# KiCad board Backplane_v2.kicad_pcb (continued)
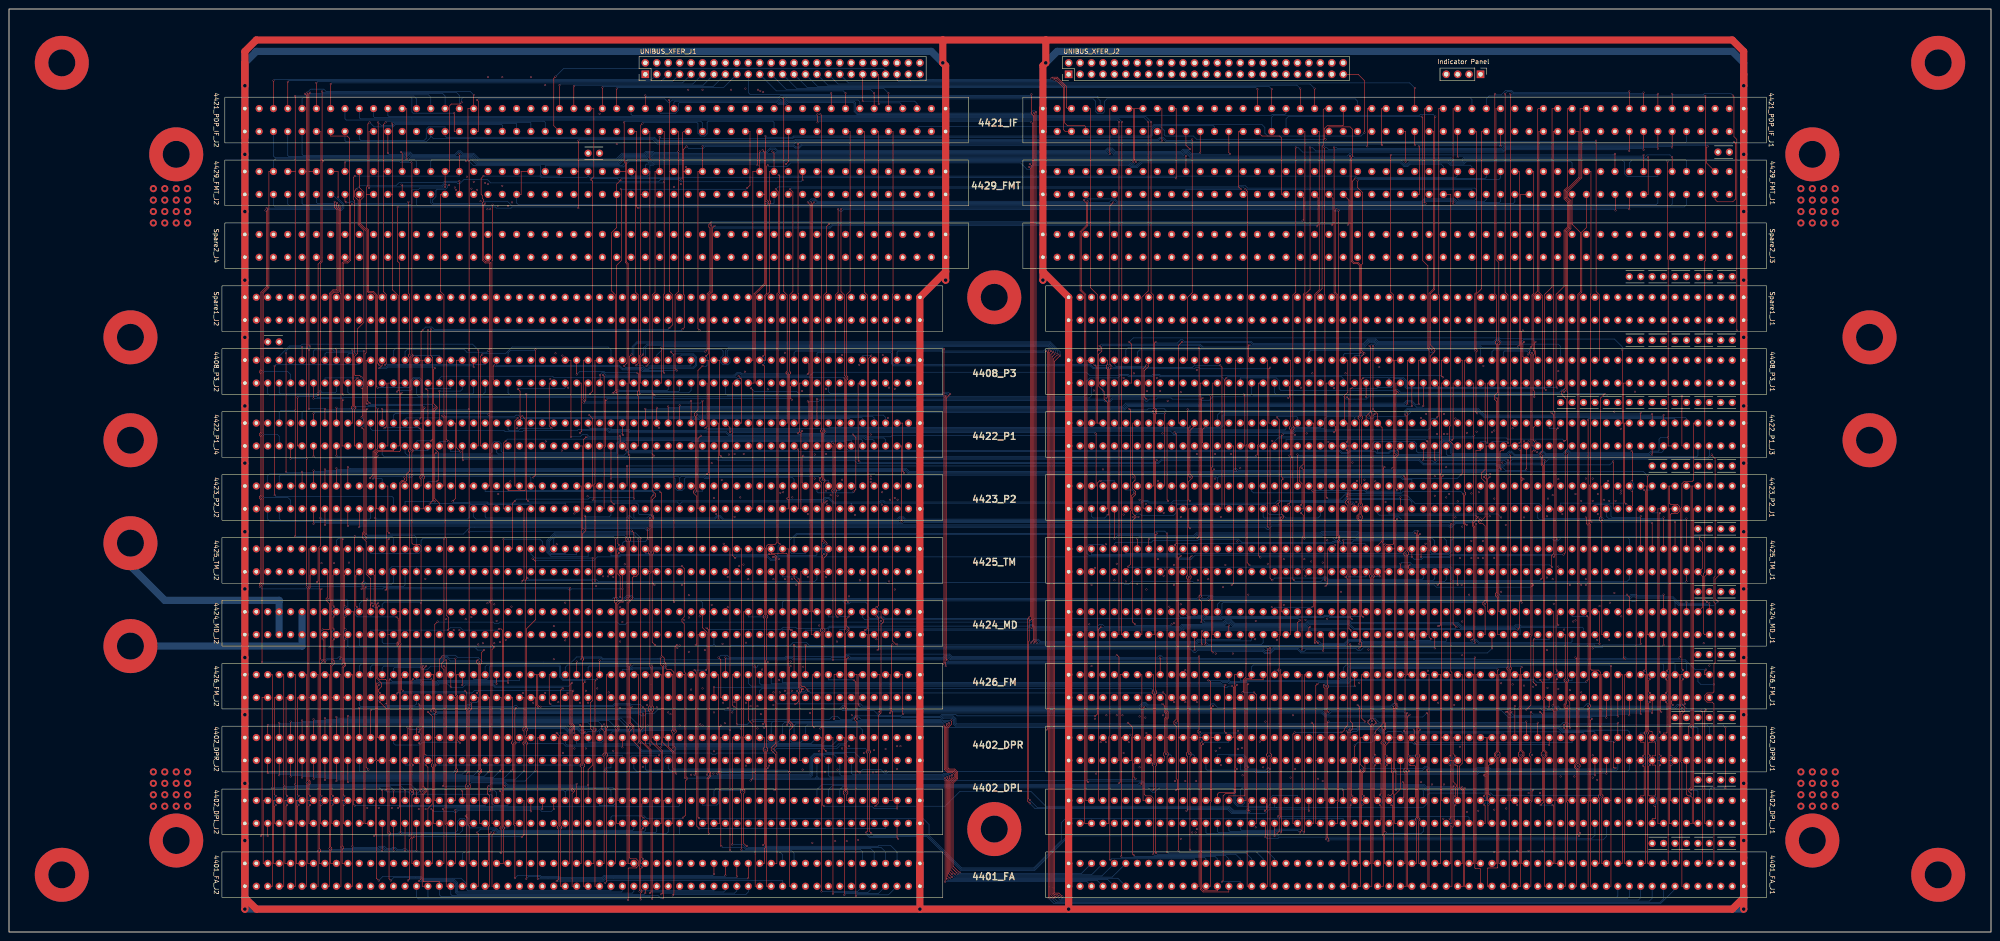
[diagram p0: board, top side]
## Nets (continued)
BUSINIT*: 4421_PDP_IF_J2.54 UNIBUS_XFER_J2.43
BUSINTR*: 4421_PDP_IF_J2.5 UNIBUS_XFER_J1.39
BUSMSYN*: 4421_PDP_IF_J2.56 UNIBUS_XFER_J1.43
BUSNPGIN: 4421_PDP_IF_J1.94 UNIBUS_XFER_J1.47
BUSNPGOUT: 4421_PDP_IF_J2.22 UNIBUS_XFER_J2.47
BUSNPR*: 4421_PDP_IF_J2.34 UNIBUS_XFER_J2.41
BUSSACK*: 4421_PDP_IF_J2.32 UNIBUS_XFER_J2.39
BUSSSYN*: 4421_PDP_IF_J2.48 UNIBUS_XFER_J2.45
CA3WRT: 4402_DPL_J1.69 4402_DPR_J1.69 4424_MD_J1.16
CB2A1E*: 4408_P3_J2.56 4422_P1_J3.33
CB2A2E*: 4408_P3_J2.20 4422_P1_J3.52
CB2A2M*: 4408_P3_J2.19 4422_P1_J3.83
CB14*: 4401_FA_J1.14 4408_P3_J2.47
CB15*: 4401_FA_J1.16 4408_P3_J2.48
CB16*: 4401_FA_J1.18 4408_P3_J2.49
CB17*: 4401_FA_J1.20 4408_P3_J2.50
CB18*: 4401_FA_J1.22 4408_P3_J2.51
CB19*: 4401_FA_J1.24 4408_P3_J2.52
CBCLKE*: 4408_P3_J1.97 4422_P1_J3.115 4423_P2_J1.94
CPUIN*: 4422_P1_J3.94
CTLCLK: 4421_PDP_IF_J1.50 4429_FMT_J1.13
DA2PNL: 4408_P3_J1.83 4422_P1_J4.20
DA08*: 4421_PDP_IF_J1.12 4422_P1_J3.74 4425_TM_J1.53
DA09*: 4421_PDP_IF_J1.14 4422_P1_J3.76 4425_TM_J1.54
DA10*: 4421_PDP_IF_J1.16 4422_P1_J3.78 4425_TM_J1.55
DA11*: 4421_PDP_IF_J1.18 4422_P1_J3.80 4425_TM_J1.56
DA12*: 4421_PDP_IF_J1.24 4422_P1_J3.82 4425_TM_J1.57
DA13*: 4421_PDP_IF_J1.26 4422_P1_J3.84 4425_TM_J1.58
DA14*: 4421_PDP_IF_J1.28 4422_P1_J3.86 4425_TM_J1.59
DA15*: 4421_PDP_IF_J1.30 4422_P1_J3.88 4425_TM_J1.60
DALD*: 4408_P3_J1.105 4422_P1_J4.19
DBLSW*: 4408_P3_J1.23 4422_P1_J4.57
DCHO01*: 4421_PDP_IF_J1.59 4424_MD_J1.27
DCHO02*: 4424_MD_J1.28
DE07*: 4401_FA_J1.35 4426_FM_J1.35
DE08*: 4401_FA_J1.51 4426_FM_J1.51
DE09*: 4401_FA_J1.53 4426_FM_J1.53
DE10*: 4401_FA_J1.55 4426_FM_J1.55
DE11*: 4401_FA_J1.56 4426_FM_J1.57
DMA00*: 4421_PDP_IF_J1.62 4424_MD_J1.54
DMA01*: 4421_PDP_IF_J1.64 4424_MD_J1.56
DMA02*: 4421_PDP_IF_J1.66 4424_MD_J1.58
DMA03*: 4421_PDP_IF_J1.68 4424_MD_J1.60
DMA04*: 4421_PDP_IF_J2.10 4424_MD_J1.74
DMA05*: 4421_PDP_IF_J2.12 4424_MD_J1.76
DMA06*: 4421_PDP_IF_J2.14 4424_MD_J1.78
DMA07*: 4421_PDP_IF_J2.16 4424_MD_J1.80
DMA08*: 4421_PDP_IF_J2.39 4424_MD_J1.86
DMA09*: 4421_PDP_IF_J2.41 4424_MD_J1.88
DMA10*: 4421_PDP_IF_J2.43 4424_MD_J1.90
DMA11*: 4421_PDP_IF_J2.45 4424_MD_J1.92
DMA12*: 4421_PDP_IF_J2.79 4424_MD_J1.106
DMA13*: 4421_PDP_IF_J2.81 4424_MD_J1.108
DMA14*: 4421_PDP_IF_J2.83 4424_MD_J1.110
DMA15*: 4421_PDP_IF_J2.85 4424_MD_J1.112
DMAESA: 4424_MD_J1.22
DMAIND: 4421_PDP_IF_J2.18 J39.3
DP2A1: 4402_DPL_J1.59 4402_DPR_J1.59 4408_P3_J2.5
DP2A2E: 4402_DPL_J1.61 4408_P3_J1.115
DP2A2M: 4402_DPL_J1.63 4402_DPR_J1.61 4402_DPR_J1.63 4408_P3_J2.6
DP2DP: 4402_DPL_J1.60 4402_DPR_J1.60 4423_P2_J1.112
DP2IO*: 4408_P3_J1.79
DP2M1: 4402_DPL_J1.64 4402_DPR_J1.64 4423_P2_J2.50
DP2M2: 4402_DPL_J1.62 4402_DPR_J1.62 4423_P2_J2.52
DPA2PNL*: 4408_P3_J2.54 4423_P2_J1.22
DPALD*: 4422_P1_J4.38 4423_P2_J1.21
DPEBS00*: 4402_DPL_J1.55
DPEBS01*: 4402_DPL_J1.56
DPEBS02*: 4402_DPL_J1.57 4408_P3_J1.61 4422_P1_J3.14 4423_P2_J1.79 4425_TM_J1.63 4429_FMT_J1.17
DPEBS03*: 4402_DPL_J1.58 4408_P3_J1.63 4422_P1_J3.40 4423_P2_J1.80 4425_TM_J1.64 4429_FMT_J1.19
DPEBS04*: 4402_DPL_J1.77 4408_P3_J1.65 4422_P1_J3.65 4423_P2_J1.99 4425_TM_J1.65 4429_FMT_J1.31
DPEBS05*: 4402_DPL_J1.78 4408_P3_J1.67 4422_P1_J3.67 4423_P2_J1.100 4425_TM_J1.66 4429_FMT_J1.33
DPEBS06*: 4402_DPL_J1.79 4408_P3_J1.69 4422_P1_J3.69 4423_P2_J1.101 4425_TM_J1.67 4429_FMT_J1.35
DPEBS07*: 4402_DPL_J1.80 4408_P3_J1.71 4422_P1_J3.71 4423_P2_J1.102 4425_TM_J1.68 4429_FMT_J1.37
DPEBS08*: 4402_DPL_J2.9 4408_P3_J1.102 4422_P1_J3.104 4423_P2_J2.5 4425_TM_J1.69 4429_FMT_J1.57
DPEBS09*: 4402_DPL_J2.10 4408_P3_J1.104 4422_P1_J3.106 4423_P2_J2.6 4425_TM_J1.70 4429_FMT_J1.59
DPEBS10*: 4402_DPL_J2.11 4408_P3_J1.106 4422_P1_J3.108 4423_P2_J2.7 4425_TM_J1.93 4429_FMT_J1.61
DPEBS11*: 4402_DPL_J2.12 4408_P3_J1.108 4422_P1_J3.110 4423_P2_J2.8 4425_TM_J1.94 4429_FMT_J1.63
DPMBS00*: 4402_DPR_J1.55 4408_P3_J2.25 4422_P1_J4.27 4423_P2_J2.27 4425_TM_J1.95 4429_FMT_J1.71
DPMBS01*: 4402_DPR_J1.56 4408_P3_J2.26 4422_P1_J4.28 4423_P2_J2.28 4425_TM_J1.96 4429_FMT_J1.73
DPMBS02*: 4402_DPR_J1.57 4408_P3_J2.27 4422_P1_J4.29 4423_P2_J2.29 4425_TM_J1.97 4429_FMT_J1.75
DPMBS03*: 4402_DPR_J1.58 4408_P3_J2.28 4422_P1_J4.30 4423_P2_J2.30 4425_TM_J1.98 4429_FMT_J1.77
DPMBS04*: 4402_DPR_J1.77 4408_P3_J2.67 4422_P1_J4.63 4423_P2_J2.33 4425_TM_J1.99 4429_FMT_J1.87
DPMBS05*: 4402_DPR_J1.78 4408_P3_J2.68 4422_P1_J4.64 4423_P2_J2.34 4425_TM_J1.100 4429_FMT_J1.89
DPMBS06*: 4402_DPR_J1.79 4408_P3_J2.69 4422_P1_J4.65 4423_P2_J2.35 4425_TM_J2.13 4429_FMT_J1.91
DPMBS07*: 4402_DPR_J1.80 4408_P3_J2.70 4422_P1_J4.66 4423_P2_J2.36 4425_TM_J2.14 4429_FMT_J1.93
DPMBS08*: 4402_DPR_J2.9 4408_P3_J2.71 4422_P1_J4.67 4423_P2_J2.41 4425_TM_J2.15 4429_FMT_J2.15
DPMBS09*: 4402_DPR_J2.10 4408_P3_J2.72 4422_P1_J4.68 4423_P2_J2.42 4425_TM_J2.16 4429_FMT_J2.17
DPMBS10*: 4402_DPR_J2.11 4408_P3_J2.73 4421_PDP_IF_J1.65 4422_P1_J4.69 4423_P2_J2.43 4425_TM_J2.17 4429_FMT_J2.19
DPMBS11*: 4402_DPR_J2.12 4408_P3_J2.74 4421_PDP_IF_J2.51 4422_P1_J4.70 4423_P2_J2.44 4425_TM_J2.18 4429_FMT_J2.21
DPMBS12*: 4402_DPR_J2.53 4408_P3_J2.87 4421_PDP_IF_J1.51 4422_P1_J4.89 4423_P2_J2.69 4425_TM_J2.19 4429_FMT_J2.35
DPMBS13*: 4402_DPR_J2.54 4408_P3_J2.88 4421_PDP_IF_J1.53 4422_P1_J4.90 4423_P2_J2.70 4425_TM_J2.20 4429_FMT_J2.37
DPMBS14*: 4402_DPR_J2.55 4408_P3_J2.89 4421_PDP_IF_J1.55 4422_P1_J4.91 4423_P2_J2.71 4425_TM_J2.47 4429_FMT_J2.39
DPMBS15*: 4402_DPR_J2.56 4408_P3_J2.90 4421_PDP_IF_J1.57 4422_P1_J4.92 4423_P2_J2.72 4425_TM_J2.48 4429_FMT_J2.41
DPMBS16*: 4402_DPR_J2.97 4408_P3_J2.91 4421_PDP_IF_J1.81 4422_P1_J4.93 4423_P2_J2.77 4425_TM_J2.49 4429_FMT_J2.51
DPMBS17*: 4402_DPR_J2.98 4408_P3_J2.92 4421_PDP_IF_J1.83 4422_P1_J4.94 4423_P2_J2.78 4425_TM_J2.50 4429_FMT_J2.53
DPMBS18*: 4402_DPR_J2.99 4408_P3_J2.93 4421_PDP_IF_J1.85 4422_P1_J4.95 4423_P2_J2.79 4425_TM_J2.51 4429_FMT_J2.55
DPMBS19*: 4402_DPR_J2.100 4408_P3_J2.94 4421_PDP_IF_J1.87 4422_P1_J4.96 4423_P2_J2.80 4425_TM_J2.52 4429_FMT_J2.57
DPMBS20*: 4402_DPL_J2.53 4408_P3_J2.101 4421_PDP_IF_J1.89 4422_P1_J4.103 4423_P2_J2.95 4425_TM_J2.53 4429_FMT_J2.69
DPMBS21*: 4402_DPL_J2.54 4408_P3_J2.102 4421_PDP_IF_J1.91 4422_P1_J4.104 4423_P2_J2.96 4425_TM_J2.54 4429_FMT_J2.71
DPMBS22*: 4402_DPL_J2.55 4408_P3_J2.103 4421_PDP_IF_J2.67 4422_P1_J4.105 4423_P2_J2.97 4425_TM_J2.89 4429_FMT_J2.73
DPMBS23*: 4402_DPL_J2.56 4408_P3_J2.104 4421_PDP_IF_J2.69 4422_P1_J4.106 4423_P2_J2.98 4425_TM_J2.90 4429_FMT_J2.75
DPMBS24*: 4402_DPL_J2.97 4408_P3_J2.109 4421_PDP_IF_J2.71 4422_P1_J4.111 4423_P2_J2.109 4425_TM_J2.91 4429_FMT_J2.89
DPMBS25*: 4402_DPL_J2.98 4408_P3_J2.110 4421_PDP_IF_J2.73 4422_P1_J4.112 4423_P2_J2.110 4425_TM_J2.92 4429_FMT_J2.91
DPMBS26*: 4402_DPL_J2.99 4408_P3_J2.111 4421_PDP_IF_J2.75 4422_P1_J4.113 4423_P2_J2.111 4425_TM_J2.93 4429_FMT_J2.93
DPMBS27*: 4402_DPL_J2.100 4408_P3_J2.112 4421_PDP_IF_J2.77 4422_P1_J4.114 4423_P2_J2.112 4425_TM_J2.94 4429_FMT_J2.95
EX2PNL*: 4408_P3_J1.86 4423_P2_J2.21
EXIA: 4422_P1_J4.75 4423_P2_J2.25
EXIB: 4422_P1_J4.76 4423_P2_J2.24
EXINT: 4408_P3_J2.100 4422_P1_J4.79
FADD*: 4401_FA_J1.12 4408_P3_J2.86 4422_P1_J4.16
FAE00*: 4402_DPL_J1.21
FAE01*: 4402_DPL_J1.23
FAE02*: 4401_FA_J1.26 4402_DPL_J1.25 4426_FM_J1.71
FAE03*: 4401_FA_J1.28 4402_DPL_J1.27 4426_FM_J1.73
FAE04*: 4401_FA_J1.40 4402_DPL_J1.89 4426_FM_J1.85
FAE05*: 4401_FA_J1.42 4402_DPL_J1.91 4426_FM_J1.87
FAE06*: 4401_FA_J1.44 4402_DPL_J1.93 4426_FM_J1.89
FAE07*: 4401_FA_J1.46 4402_DPL_J1.95 4426_FM_J1.91
FAE08*: 4401_FA_J1.48 4402_DPL_J2.13 4426_FM_J1.103
FAE09*: 4401_FA_J1.50 4402_DPL_J2.15 4426_FM_J1.105
FAE10*: 4401_FA_J1.52 4402_DPL_J2.17 4426_FM_J1.107
FAE11*: 4401_FA_J1.54 4402_DPL_J2.19 4426_FM_J1.109
FAM00*: 4401_FA_J1.66 4402_DPR_J1.21 4426_FM_J2.13
FAM01*: 4401_FA_J1.68 4402_DPR_J1.23 4426_FM_J2.15
FAM02*: 4401_FA_J1.70 4402_DPR_J1.25 4426_FM_J2.17
FAM03*: 4401_FA_J1.72 4402_DPR_J1.27 4426_FM_J2.19
FAM04*: 4401_FA_J1.92 4402_DPR_J1.89 4426_FM_J2.29
FAM05*: 4401_FA_J1.94 4402_DPR_J1.91 4426_FM_J2.31
FAM06*: 4401_FA_J1.96 4402_DPR_J1.93 4426_FM_J2.33
FAM07*: 4401_FA_J1.98 4402_DPR_J1.95 4426_FM_J2.35
FAM08*: 4401_FA_J2.6 4402_DPR_J2.13 4426_FM_J2.45
FAM09*: 4401_FA_J2.8 4402_DPR_J2.15 4426_FM_J2.47
FAM10*: 4401_FA_J2.10 4402_DPR_J2.17 4426_FM_J2.49
FAM11*: 4401_FA_J2.12 4402_DPR_J2.19 4426_FM_J2.51
FAM12*: 4401_FA_J2.32 4402_DPR_J2.45 4426_FM_J2.61
FAM13*: 4401_FA_J2.34 4402_DPR_J2.47 4426_FM_J2.63
FAM14*: 4401_FA_J2.36 4402_DPR_J2.49 4426_FM_J2.65
FAM15*: 4401_FA_J2.38 4402_DPR_J2.51 4426_FM_J2.67
FAM16*: 4401_FA_J2.58 4402_DPR_J2.89 4426_FM_J2.77
FAM17*: 4401_FA_J2.60 4402_DPR_J2.91 4426_FM_J2.79
FAM18*: 4401_FA_J2.62 4402_DPR_J2.93 4426_FM_J2.81
FAM19*: 4401_FA_J2.64 4402_DPR_J2.95 4426_FM_J2.83
FAM20*: 4401_FA_J2.84 4402_DPL_J2.45 4426_FM_J2.93
FAM21*: 4401_FA_J2.86 4402_DPL_J2.47 4426_FM_J2.95
FAM22*: 4401_FA_J2.88 4402_DPL_J2.49 4426_FM_J2.97
FAM23*: 4401_FA_J2.90 4402_DPL_J2.51 4426_FM_J2.99
FAM24*: 4401_FA_J2.110 4402_DPL_J2.89 4426_FM_J2.109
FAM25*: 4401_FA_J2.112 4402_DPL_J2.91 4426_FM_J2.111
FAM26*: 4401_FA_J2.114 4402_DPL_J2.93 4426_FM_J2.113
FAM27*: 4401_FA_J2.116 4402_DPL_J2.95 4426_FM_J2.115
FANEG*: 4401_FA_J1.36 4422_P1_J3.18
FAOVF*: 4401_FA_J1.32 4422_P1_J3.9
FAUNF*: 4401_FA_J1.30 4422_P1_J3.13
FAZRO*: 4401_FA_J1.34 4422_P1_J3.16
FFTQ: 4422_P1_J3.19 4423_P2_J1.35
FLAG0: 4408_P3_J1.57 4422_P1_J4.43
FLAG1: 4408_P3_J1.58 4422_P1_J4.45
FLAG2: 4408_P3_J1.59 4422_P1_J4.47
FLAG3: 4408_P3_J1.60 4422_P1_J4.49
FME00*: 4402_DPL_J1.22
FME01*: 4402_DPL_J1.24
FME02*: 4402_DPL_J1.26 4426_FM_J1.67
FME03*: 4402_DPL_J1.28 4426_FM_J1.69
FME04*: 4402_DPL_J1.90 4426_FM_J1.77
FME05*: 4402_DPL_J1.92 4426_FM_J1.79
FME06*: 4402_DPL_J1.94 4426_FM_J1.81
FME07*: 4402_DPL_J1.96 4426_FM_J1.83
FME08*: 4402_DPL_J2.14 4426_FM_J1.95
FME09*: 4402_DPL_J2.16 4426_FM_J1.97
FME10*: 4402_DPL_J2.18 4426_FM_J1.99
FME11*: 4402_DPL_J2.20 4426_FM_J1.101
FMM00*: 4401_FA_J1.58 4402_DPR_J1.22 4426_FM_J2.5
FMM01*: 4401_FA_J1.60 4402_DPR_J1.24 4426_FM_J2.7
FMM02*: 4401_FA_J1.62 4402_DPR_J1.26 4426_FM_J2.9
FMM03*: 4401_FA_J1.64 4402_DPR_J1.28 4426_FM_J2.11
FMM04*: 4401_FA_J1.84 4402_DPR_J1.90 4426_FM_J2.21
FMM05*: 4401_FA_J1.86 4402_DPR_J1.92 4426_FM_J2.23
FMM06*: 4401_FA_J1.88 4402_DPR_J1.94 4426_FM_J2.25
FMM07*: 4401_FA_J1.90 4402_DPR_J1.96 4426_FM_J2.27
FMM08*: 4401_FA_J1.110 4402_DPR_J2.14 4426_FM_J2.37
FMM09*: 4401_FA_J1.112 4402_DPR_J2.16 4426_FM_J2.39
FMM10*: 4401_FA_J1.114 4402_DPR_J2.18 4426_FM_J2.41
FMM11*: 4401_FA_J1.116 4402_DPR_J2.20 4426_FM_J2.43
FMM12*: 4401_FA_J2.24 4402_DPR_J2.46 4426_FM_J2.53
FMM13*: 4401_FA_J2.26 4402_DPR_J2.48 4426_FM_J2.55
FMM14*: 4401_FA_J2.28 4402_DPR_J2.50 4426_FM_J2.57
FMM15*: 4401_FA_J2.30 4402_DPR_J2.52 4426_FM_J2.59
FMM16*: 4401_FA_J2.50 4402_DPR_J2.90 4426_FM_J2.69
FMM17*: 4401_FA_J2.52 4402_DPR_J2.92 4426_FM_J2.71
FMM18*: 4401_FA_J2.54 4402_DPR_J2.94 4426_FM_J2.73
FMM19*: 4401_FA_J2.56 4402_DPR_J2.96 4426_FM_J2.75
FMM20*: 4401_FA_J2.76 4402_DPL_J2.46 4426_FM_J2.85
FMM21*: 4401_FA_J2.78 4402_DPL_J2.48 4426_FM_J2.87
FMM22*: 4401_FA_J2.80 4402_DPL_J2.50 4426_FM_J2.89
FMM23*: 4401_FA_J2.82 4402_DPL_J2.52 4426_FM_J2.91
FMM24*: 4401_FA_J2.102 4402_DPL_J2.90 4426_FM_J2.101
FMM25*: 4401_FA_J2.104 4402_DPL_J2.92 4426_FM_J2.103
FMM26*: 4401_FA_J2.106 4402_DPL_J2.94 4426_FM_J2.105
FMM27*: 4401_FA_J2.108 4402_DPL_J2.96 4426_FM_J2.107
FMOVF*: 4422_P1_J3.11 4426_FM_J1.59
FMUL*: 4408_P3_J1.22 4422_P1_J4.18 4423_P2_J2.61 4426_FM_J1.7
FMUNF*: 4422_P1_J3.15 4426_FM_J1.61
FN2HD*: 4408_P3_J2.116 4421_PDP_IF_J2.90
FRCINH*: 4401_FA_J2.100
FSE00*: 4401_FA_J1.17 4426_FM_J1.17
FSE01*: 4401_FA_J1.19 4426_FM_J1.19
FSE02*: 4401_FA_J1.21 4426_FM_J1.21
FSE03*: 4401_FA_J1.23 4426_FM_J1.23
FSE04*: 4401_FA_J1.25 4426_FM_J1.25
FSE05*: 4401_FA_J1.27 4426_FM_J1.27
FSE06*: 4401_FA_J1.39 4426_FM_J1.39
FSE07*: 4401_FA_J1.41 4426_FM_J1.41
FSE08*: 4401_FA_J1.43 4426_FM_J1.43
FSE09*: 4401_FA_J1.45 4426_FM_J1.45
FSE10*: 4401_FA_J1.47 4426_FM_J1.47
FSE11*: 4401_FA_J1.49 4426_FM_J1.49
HADR2HD*: 4421_PDP_IF_J2.70 4421_PDP_IF_J2.91
HADRCLK*: 4421_PDP_IF_J2.13 4421_PDP_IF_J2.68
HD00: 4408_P3_J2.29 4421_PDP_IF_J1.74 4429_FMT_J2.25
HD00A: 4429_FMT_J1.27
HD01: 4408_P3_J2.30 4421_PDP_IF_J1.76 4429_FMT_J2.26
HD01A: 4429_FMT_J1.29
HD02: 4408_P3_J2.31 4421_PDP_IF_J1.78 4429_FMT_J2.27
HD02A: 4429_FMT_J1.30
HD2DP: 4408_P3_J1.33 4423_P2_J1.114
HD03: 4408_P3_J2.32 4421_PDP_IF_J1.80 4429_FMT_J2.28
HD03A: 4429_FMT_J1.51
HD04: 4408_P3_J2.41 4421_PDP_IF_J2.24 4429_FMT_J2.43
HD04A: 4429_FMT_J1.67
HD04B: 4429_FMT_J1.52
HD05: 4408_P3_J2.42 4421_PDP_IF_J2.26 4429_FMT_J2.44
HD05A: 4429_FMT_J1.68
HD05B: 4429_FMT_J1.53
HD06: 4408_P3_J2.43 4421_PDP_IF_J2.28 4429_FMT_J2.45
HD06A: 4429_FMT_J1.69
HD06B: 4429_FMT_J1.54
HD07: 4408_P3_J2.44 4421_PDP_IF_J2.30 4429_FMT_J2.46
HD07A: 4429_FMT_J1.70
HD07B: 4429_FMT_J1.55
HD08: 4408_P3_J2.45 4421_PDP_IF_J2.36 4429_FMT_J2.47
HD08A: 4429_FMT_J2.5
HD08B: 4429_FMT_J1.56
HD09: 4408_P3_J2.46 4421_PDP_IF_J2.38 4429_FMT_J2.48
HD09A: 4429_FMT_J2.6
HD10: 4408_P3_J2.75 4421_PDP_IF_J2.40 4429_FMT_J2.77
HD10A: 4429_FMT_J2.7
HD11: 4408_P3_J2.76 4421_PDP_IF_J2.42 4429_FMT_J2.78
HD11A: 4429_FMT_J2.8
HD12: 4408_P3_J2.77 4421_PDP_IF_J2.58 4429_FMT_J2.79
HD12A: 4429_FMT_J2.9
HD13: 4408_P3_J2.78 4421_PDP_IF_J2.60 4429_FMT_J2.80
HD13A: 4429_FMT_J2.10
HD14: 4408_P3_J2.79 4421_PDP_IF_J2.62 4429_FMT_J2.81
HD14A: 4429_FMT_J2.23
HD15: 4408_P3_J2.80 4421_PDP_IF_J2.64 4429_FMT_J2.82
HD15A: 4429_FMT_J2.24
HINTIND: 4421_PDP_IF_J1.49 J39.2
I+H09: 4421_PDP_IF_J2.44 4429_FMT_J1.9
I+H10: 4421_PDP_IF_J2.46 4429_FMT_J1.10
I+H13: 4421_PDP_IF_J2.80 4429_FMT_J1.11
I+H14: 4421_PDP_IF_J2.82 4429_FMT_J1.12
IFFTQ: 4422_P1_J3.21 4423_P2_J1.34
IN: 4408_P3_J1.75
IN100: 4408_P3_J2.40 4421_PDP_IF_J1.38 4422_P1_J3.96
INCCIN*: 4422_P1_J4.83 4423_P2_J2.64
INT2A1E*: 4408_P3_J2.37 4422_P1_J3.8
INT06*: 4421_PDP_IF_J2.76
INT07*: 4421_PDP_IF_J2.78
INTA: 4408_P3_J1.41
INTEN: 4408_P3_J1.77 4421_PDP_IF_J1.40
INTIND: 4408_P3_J1.35 J39.1
INTOP: 4408_P3_J2.113 4422_P1_J4.80
INTPIN: 4421_PDP_IF_J1.44
INTPOUT: 4421_PDP_IF_J1.92
INTR1*: 4408_P3_J1.95 4422_P1_J3.98
INTR*: 4421_PDP_IF_J1.39 4422_P1_J4.25
INTU*: 4408_P3_J1.43 4422_P1_J3.38
IOACK*: 4408_P3_J1.107 4421_PDP_IF_J1.46
IODRDY*: 4421_PDP_IF_J1.10 4422_P1_J4.23
IODRDYQ: 4408_P3_J1.103 4422_P1_J4.26
IOINTR*: 4422_P1_J4.115
IONTA: 4408_P3_J1.78
IORST*: 4408_P3_J1.80
LDFN*: 4408_P3_J1.99 4421_PDP_IF_J2.72 4421_PDP_IF_J2.84
LDOMA*: 4408_P3_J1.88 4422_P1_J3.90 4424_MD_J1.43
LDSR*: 4408_P3_J1.27 4421_PDP_IF_J2.74 4421_PDP_IF_J2.86
LT2HD*: 4408_P3_J2.114 4421_PDP_IF_J2.88
M1EBS00*: 4402_DPL_J1.30 4426_FM_J1.60
M1EBS01*: 4402_DPL_J1.32 4426_FM_J1.62
M1EBS02*: 4402_DPL_J1.34 4425_TM_J1.72 4426_FM_J1.64
M1EBS03*: 4402_DPL_J1.36 4425_TM_J1.74 4426_FM_J1.66
M1EBS04*: 4402_DPL_J1.98 4425_TM_J1.76 4426_FM_J1.78
M1EBS05*: 4402_DPL_J1.100 4425_TM_J1.78 4426_FM_J1.80
M1EBS06*: 4402_DPL_J1.102 4425_TM_J1.80 4426_FM_J1.82
M1EBS07*: 4402_DPL_J1.104 4425_TM_J1.82 4426_FM_J1.84
M1EBS08*: 4402_DPL_J2.22 4425_TM_J1.84 4426_FM_J1.96
M1EBS09*: 4402_DPL_J2.24 4425_TM_J1.86 4426_FM_J1.98
M1EBS10*: 4402_DPL_J2.26 4425_TM_J1.102 4426_FM_J1.100
M1EBS11*: 4402_DPL_J2.28 4425_TM_J1.104 4426_FM_J1.102
M1MBS00*: 4402_DPR_J1.30 4425_TM_J1.106 4426_FM_J2.6
M1MBS01*: 4402_DPR_J1.32 4425_TM_J1.108 4426_FM_J2.8
M1MBS02*: 4402_DPR_J1.34 4425_TM_J1.110 4426_FM_J2.10
M1MBS03*: 4402_DPR_J1.36 4425_TM_J1.112 4426_FM_J2.12
M1MBS04*: 4402_DPR_J1.98 4425_TM_J1.114 4426_FM_J2.22
M1MBS05*: 4402_DPR_J1.100 4425_TM_J1.116 4426_FM_J2.24
M1MBS06*: 4402_DPR_J1.102 4425_TM_J2.22 4426_FM_J2.26
M1MBS07*: 4402_DPR_J1.104 4425_TM_J2.24 4426_FM_J2.28
M1MBS08*: 4402_DPR_J2.22 4425_TM_J2.26 4426_FM_J2.38
M1MBS09*: 4402_DPR_J2.24 4425_TM_J2.28 4426_FM_J2.40
M1MBS10*: 4402_DPR_J2.26 4425_TM_J2.30 4426_FM_J2.42
M1MBS11*: 4402_DPR_J2.28 4425_TM_J2.32 4426_FM_J2.44
M1MBS12*: 4402_DPR_J2.58 4425_TM_J2.34 4426_FM_J2.54
M1MBS13*: 4402_DPR_J2.60 4425_TM_J2.36 4426_FM_J2.56
M1MBS14*: 4402_DPR_J2.62 4425_TM_J2.56 4426_FM_J2.58
M1MBS15*: 4402_DPR_J2.64 4425_TM_J2.58 4426_FM_J2.60
M1MBS16*: 4402_DPR_J2.102 4425_TM_J2.60 4426_FM_J2.70
M1MBS17*: 4402_DPR_J2.104 4425_TM_J2.62 4426_FM_J2.72
M1MBS18*: 4402_DPR_J2.106 4425_TM_J2.64 4426_FM_J2.74
M1MBS19*: 4402_DPR_J2.108 4425_TM_J2.66 4426_FM_J2.76
M1MBS20*: 4402_DPL_J2.58 4425_TM_J2.68 4426_FM_J2.86
M1MBS21*: 4402_DPL_J2.60 4425_TM_J2.70 4426_FM_J2.88
M1MBS22*: 4402_DPL_J2.62 4425_TM_J2.98 4426_FM_J2.90
M1MBS23*: 4402_DPL_J2.64 4425_TM_J2.100 4426_FM_J2.92
M1MBS24*: 4402_DPL_J2.102 4425_TM_J2.102 4426_FM_J2.102
M1MBS25*: 4402_DPL_J2.104 4425_TM_J2.104 4426_FM_J2.104
M1MBS26*: 4402_DPL_J2.106 4425_TM_J2.106 4426_FM_J2.106
M1MBS27*: 4402_DPL_J2.108 4425_TM_J2.108 4426_FM_J2.108
M2EBS00*: 4402_DPL_J1.38 4426_FM_J1.68
M2EBS01*: 4402_DPL_J1.40 4426_FM_J1.70
M2EBS02*: 4402_DPL_J1.42 4426_FM_J1.72
M2EBS03*: 4402_DPL_J1.44 4426_FM_J1.74
M2EBS04*: 4402_DPL_J1.106 4426_FM_J1.86
M2EBS05*: 4402_DPL_J1.108 4426_FM_J1.88
M2EBS06*: 4402_DPL_J1.110 4426_FM_J1.90
M2EBS07*: 4402_DPL_J1.112 4426_FM_J1.92
M2EBS08*: 4402_DPL_J2.30 4426_FM_J1.104
M2EBS09*: 4402_DPL_J2.32 4426_FM_J1.106
M2EBS10*: 4402_DPL_J2.34 4426_FM_J1.108
M2EBS11*: 4402_DPL_J2.36 4426_FM_J1.110
M2MBS00*: 4402_DPR_J1.38 4426_FM_J2.14
M2MBS01*: 4402_DPR_J1.40 4426_FM_J2.16
M2MBS02*: 4402_DPR_J1.42 4426_FM_J2.18
M2MBS03*: 4402_DPR_J1.44 4426_FM_J2.20
M2MBS04*: 4402_DPR_J1.106 4426_FM_J2.30
M2MBS05*: 4402_DPR_J1.108 4426_FM_J2.32
M2MBS06*: 4402_DPR_J1.110 4426_FM_J2.34
M2MBS07*: 4402_DPR_J1.112 4426_FM_J2.36
M2MBS08*: 4402_DPR_J2.30 4426_FM_J2.46
M2MBS09*: 4402_DPR_J2.32 4426_FM_J2.48
M2MBS10*: 4402_DPR_J2.34 4426_FM_J2.50
M2MBS11*: 4402_DPR_J2.36 4426_FM_J2.52
M2MBS12*: 4402_DPR_J2.66 4426_FM_J2.62
M2MBS13*: 4402_DPR_J2.68 4426_FM_J2.64
M2MBS14*: 4402_DPR_J2.70 4426_FM_J2.66
M2MBS15*: 4402_DPR_J2.72 4426_FM_J2.68
M2MBS16*: 4402_DPR_J2.110 4426_FM_J2.78
M2MBS17*: 4402_DPR_J2.112 4426_FM_J2.80
M2MBS18*: 4402_DPR_J2.114 4426_FM_J2.82
M2MBS19*: 4402_DPR_J2.116 4426_FM_J2.84
M2MBS20*: 4402_DPL_J2.66 4426_FM_J2.94
M2MBS21*: 4402_DPL_J2.68 4426_FM_J2.96
M2MBS22*: 4402_DPL_J2.70 4426_FM_J2.98
M2MBS23*: 4402_DPL_J2.72 4426_FM_J2.100
M2MBS24*: 4402_DPL_J2.110 4426_FM_J2.110
M2MBS25*: 4402_DPL_J2.112 4426_FM_J2.112
M2MBS26*: 4402_DPL_J2.114 4426_FM_J2.114
M2MBS27*: 4402_DPL_J2.116 4426_FM_J2.116
MA00*: 4424_MD_J1.53
MA01*: 4424_MD_J1.55
MA02*: 4424_MD_J1.57
MA2PNL: 4408_P3_J1.94 4424_MD_J1.46
MA03*: 4424_MD_J1.59
MA04*: 4424_MD_J1.73
MA05*: 4424_MD_J1.75
MA06*: 4424_MD_J1.77
MA07*: 4424_MD_J1.79
MA08*: 4424_MD_J1.85
MA09*: 4424_MD_J1.87
MA10*: 4424_MD_J1.89
MA11*: 4424_MD_J1.91
MA12*: 4424_MD_J1.105
MA13*: 4424_MD_J1.107
MA14*: 4424_MD_J1.109
MA15*: 4424_MD_J1.111
MA(-1)*: 4424_MD_J1.116
MA(-2)*: 4424_MD_J1.115
MA(-3)*: 4424_MD_J1.114
MA(-4)*: 4424_MD_J1.113
MA=SUP*: 4408_P3_J1.45 4424_MD_J1.40
MACE*: 4423_P2_J2.102 4424_MD_J1.47
MAESA: 4424_MD_J1.24
MAINC*: 4423_P2_J2.55 4424_MD_J1.48
MALD*: 4423_P2_J2.103 4424_MD_J1.45
MALD*A: 4422_P1_J4.36 4423_P2_J2.65
MD00*: 4402_DPL_J1.71 4424_MD_J2.15
MD01*: 4402_DPL_J1.72 4424_MD_J2.40
MD02*: 4402_DPL_J1.73 4424_MD_J2.16 4429_FMT_J1.18
MD2A2: 4402_DPL_J2.87 4402_DPR_J2.87 4408_P3_J2.11
MD2DP: 4402_DPL_J2.88 4402_DPR_J2.88 4423_P2_J1.111
MD2M2: 4402_DPL_J2.86 4402_DPR_J2.86 4423_P2_J2.56
MD03*: 4402_DPL_J1.74 4424_MD_J2.17 4429_FMT_J1.20
MD3BSY: 4408_P3_J1.74 4424_MD_J1.29
MD3REJ: 4408_P3_J1.90 4424_MD_J1.26
MD04*: 4402_DPL_J1.113 4424_MD_J2.18 4429_FMT_J1.32
MD05*: 4402_DPL_J1.114 4424_MD_J2.19 4429_FMT_J1.34
MD06*: 4402_DPL_J1.115 4424_MD_J2.20 4429_FMT_J1.36
MD07*: 4402_DPL_J1.116 4424_MD_J2.21 4429_FMT_J1.38
MD08*: 4402_DPL_J2.5 4424_MD_J2.22 4429_FMT_J1.58
MD09*: 4402_DPL_J2.6 4424_MD_J2.37 4429_FMT_J1.60
MD10*: 4402_DPL_J2.7 4424_MD_J2.38 4429_FMT_J1.62
MD11*: 4402_DPL_J2.8 4424_MD_J2.39 4429_FMT_J1.64
MD12*: 4402_DPR_J1.71 4424_MD_J2.41 4429_FMT_J1.72
MD13*: 4402_DPR_J1.72 4424_MD_J2.42 4429_FMT_J1.74
MD14*: 4402_DPR_J1.73 4424_MD_J2.43 4429_FMT_J1.76
MD15*: 4402_DPR_J1.74 4424_MD_J2.44 4429_FMT_J1.78
MD16*: 4402_DPR_J1.113 4424_MD_J2.59 4429_FMT_J1.88
MD17*: 4402_DPR_J1.114 4424_MD_J2.60 4429_FMT_J1.90
MD18*: 4402_DPR_J1.115 4424_MD_J2.61 4429_FMT_J1.92
MD19*: 4402_DPR_J1.116 4424_MD_J2.62 4429_FMT_J1.94
MD20*: 4402_DPR_J2.5 4424_MD_J2.63 4429_FMT_J2.16
MD21*: 4402_DPR_J2.6 4424_MD_J2.64 4429_FMT_J2.18
MD22*: 4402_DPR_J2.7 4424_MD_J2.65 4429_FMT_J2.20
MD23*: 4402_DPR_J2.8 4424_MD_J2.66 4429_FMT_J2.22
MD24*: 4402_DPR_J2.73 4424_MD_J2.81 4429_FMT_J2.36
MD25*: 4402_DPR_J2.74 4424_MD_J2.82 4429_FMT_J2.38
MD26*: 4402_DPR_J2.75 4424_MD_J2.83 4429_FMT_J2.40
MD27*: 4402_DPR_J2.76 4424_MD_J2.84 4429_FMT_J2.42
MD28*: 4402_DPR_J2.77 4424_MD_J2.85 4429_FMT_J2.52
MD29*: 4402_DPR_J2.78 4424_MD_J2.86 4429_FMT_J2.54
MD30*: 4402_DPR_J2.79 4424_MD_J2.87 4429_FMT_J2.56
MD31*: 4402_DPR_J2.80 4424_MD_J2.88 4429_FMT_J2.58
MD32*: 4402_DPL_J2.73 4424_MD_J2.97 4429_FMT_J2.70
MD33*: 4402_DPL_J2.74 4424_MD_J2.98 4429_FMT_J2.72
MD34*: 4402_DPL_J2.75 4424_MD_J2.99 4429_FMT_J2.74
MD35*: 4402_DPL_J2.76 4424_MD_J2.100 4429_FMT_J2.76
MD36*: 4402_DPL_J2.77 4424_MD_J2.101 4429_FMT_J2.90
MD37*: 4402_DPL_J2.78 4424_MD_J2.102 4429_FMT_J2.92
MD38*: 4402_DPL_J2.79 4424_MD_J2.103 4429_FMT_J2.94
MD39*: 4402_DPL_J2.80 4424_MD_J2.104 4429_FMT_J2.96
MDCA0: 4424_MD_J1.19
MDCA1: 4421_PDP_IF_J1.35 4424_MD_J1.21
MDCA2: 4424_MD_J1.23
MDCLKE: 4402_DPL_J1.76 4402_DPR_J1.76 4424_MD_J1.31
MDCR1Q*: 4421_PDP_IF_J1.60 4424_MD_J1.20
MDCR2*: 4424_MD_J1.17
MDCR3*: 4408_P3_J1.89 4423_P2_J2.101 4424_MD_J1.18
MDEXP: 4424_MD_J1.10
MDHMAN: 4424_MD_J1.12
MDI00: 4402_DPL_J1.81
MDI01: 4402_DPL_J1.82
MDI02: 4402_DPL_J1.83 4424_MD_J2.9 4429_FMT_J1.23
MDI03: 4402_DPL_J1.84 4424_MD_J2.10 4429_FMT_J1.24
MDI04: 4402_DPL_J1.85 4424_MD_J2.11 4429_FMT_J1.25
MDI05: 4402_DPL_J1.86 4424_MD_J2.12 4429_FMT_J1.26
MDI06: 4402_DPL_J1.87 4424_MD_J2.25 4429_FMT_J1.39
MDI07: 4402_DPL_J1.88 4424_MD_J2.26 4429_FMT_J1.40
MDI08: 4402_DPL_J2.37 4424_MD_J2.27 4429_FMT_J1.41
MDI09: 4402_DPL_J2.38 4424_MD_J2.28 4429_FMT_J1.42
MDI10: 4402_DPL_J2.39 4424_MD_J2.31 4429_FMT_J1.43
MDI11: 4402_DPL_J2.40 4424_MD_J2.32 4429_FMT_J1.44
MDI12: 4402_DPR_J1.81 4424_MD_J2.33 4429_FMT_J1.81
MDI13: 4402_DPR_J1.82 4424_MD_J2.34 4429_FMT_J1.82
MDI14: 4402_DPR_J1.83 4424_MD_J2.47 4429_FMT_J1.83
MDI15: 4402_DPR_J1.84 4424_MD_J2.48 4429_FMT_J1.84
MDI16: 4402_DPR_J1.85 4424_MD_J2.49 4429_FMT_J1.85
MDI17: 4402_DPR_J1.86 4424_MD_J2.50 4429_FMT_J1.86
MDI18: 4402_DPR_J1.87 4424_MD_J2.53 4429_FMT_J2.11
MDI19: 4402_DPR_J1.88 4424_MD_J2.54 4429_FMT_J2.12
MDI20: 4402_DPR_J2.37 4424_MD_J2.55 4429_FMT_J2.13
MDI21: 4402_DPR_J2.38 4424_MD_J2.56 4429_FMT_J2.14
MDI22: 4402_DPR_J2.39 4424_MD_J2.69 4429_FMT_J2.29
MDI23: 4402_DPR_J2.40 4424_MD_J2.70 4429_FMT_J2.30
MDI24: 4402_DPR_J2.41 4424_MD_J2.71 4429_FMT_J2.31
MDI25: 4402_DPR_J2.42 4424_MD_J2.72 4429_FMT_J2.32
MDI26: 4402_DPR_J2.43 4424_MD_J2.75 4429_FMT_J2.33
MDI27: 4402_DPR_J2.44 4424_MD_J2.76 4429_FMT_J2.34
MDI28: 4402_DPR_J2.81 4424_MD_J2.77 4429_FMT_J2.63
MDI29: 4402_DPR_J2.82 4424_MD_J2.78 4429_FMT_J2.64
MDI30: 4402_DPR_J2.83 4424_MD_J2.89 4429_FMT_J2.65
MDI31: 4402_DPR_J2.84 4424_MD_J2.90 4429_FMT_J2.66
MDI32: 4402_DPL_J2.41 4424_MD_J2.91 4429_FMT_J2.67
MDI33: 4402_DPL_J2.42 4424_MD_J2.92 4429_FMT_J2.68
MDI34: 4402_DPL_J2.43 4424_MD_J2.93 4429_FMT_J2.83
MDI35: 4402_DPL_J2.44 4424_MD_J2.94 4429_FMT_J2.84
MDI36: 4402_DPL_J2.81 4424_MD_J2.95 4429_FMT_J2.85
MDI37: 4402_DPL_J2.82 4424_MD_J2.96 4429_FMT_J2.86
MDI38: 4402_DPL_J2.83 4424_MD_J2.105 4429_FMT_J2.87
MDI39: 4402_DPL_J2.84 4424_MD_J2.106 4429_FMT_J2.88
MDINA*: 4424_MD_J1.25
MDLMAN: 4424_MD_J1.14
MDUSE*: 4408_P3_J1.96 4424_MD_J1.30
MDWRT3: 4423_P2_J2.54 4424_MD_J1.7
MDWRT*: 4421_PDP_IF_J1.37 4424_MD_J1.8
MIA*: 4402_DPL_J1.53 4402_DPR_J1.53 4423_P2_J2.105
MIB*: 4402_DPL_J1.54 4402_DPR_J1.54 4423_P2_J2.106
NEWINS1: 4423_P2_J2.81
NEWINS2: 4423_P2_J2.82
NEWINS3: 4423_P2_J2.83
NOP*: 4408_P3_J1.116 4422_P1_J4.110
OUT*: 4408_P3_J1.55 4421_PDP_IF_J1.43 4422_P1_J3.92 4425_TM_J1.52
OVFL*: 4421_PDP_IF_J1.70 4429_FMT_J1.66
PAUSE1*: 4408_P3_J1.100 4422_P1_J3.116
PHALT*: 4408_P3_J1.29
PNL00*: 4408_P3_J1.24 4422_P1_J3.22 4423_P2_J1.39 4424_MD_J1.61
PNL01*: 4408_P3_J1.26 4422_P1_J3.24 4423_P2_J1.40 4424_MD_J1.62
PNL02*: 4408_P3_J1.28 4422_P1_J3.26 4423_P2_J1.41 4424_MD_J1.63
PNL2DBL*: 4408_P3_J1.101 4422_P1_J4.81
PNL2DP: 4408_P3_J1.72 4423_P2_J1.92
PNL2MA*: 4408_P3_J2.38 4423_P2_J2.66
PNL2MD*: 4408_P3_J1.54 4424_MD_J1.42
PNL2PSA*: 4408_P3_J1.91 4422_P1_J3.112
PNL2TMA*: 4408_P3_J2.39 4423_P2_J2.115
PNL03*: 4408_P3_J1.30 4422_P1_J3.28 4423_P2_J1.42 4424_MD_J1.64
PNL04*: 4408_P3_J1.32 4422_P1_J3.30 4423_P2_J1.43 4424_MD_J1.65
PNL05*: 4408_P3_J1.34 4422_P1_J3.32 4423_P2_J1.44 4424_MD_J1.66
PNL06*: 4408_P3_J1.36 4422_P1_J3.34 4423_P2_J1.45 4424_MD_J1.67
PNL07*: 4408_P3_J1.38 4422_P1_J3.36 4423_P2_J1.46 4424_MD_J1.68
PNL08*: 4408_P3_J1.40 4421_PDP_IF_J1.11 4422_P1_J3.42 4423_P2_J1.63 4424_MD_J1.93
PNL09*: 4408_P3_J1.42 4421_PDP_IF_J1.13 4422_P1_J3.44 4423_P2_J1.64 4424_MD_J1.94
PNL10*: 4408_P3_J1.44 4421_PDP_IF_J1.15 4422_P1_J3.46 4423_P2_J1.65 4424_MD_J1.95
PNL11*: 4408_P3_J1.46 4421_PDP_IF_J1.17 4422_P1_J3.48 4423_P2_J1.66 4424_MD_J1.96
PNL12*: 4408_P3_J1.62 4421_PDP_IF_J1.23 4422_P1_J3.66 4423_P2_J1.67 4424_MD_J1.97
PNL13*: 4408_P3_J1.64 4421_PDP_IF_J1.25 4422_P1_J3.68 4423_P2_J1.68 4424_MD_J1.98
PNL14*: 4408_P3_J1.66 4421_PDP_IF_J1.27 4422_P1_J3.70 4423_P2_J1.69 4424_MD_J1.99
PNL15*: 4408_P3_J1.68 4421_PDP_IF_J1.29 4422_P1_J3.72 4423_P2_J1.70 4424_MD_J1.100
PS0WRT: 4408_P3_J2.21 4422_P1_J4.58
PS1WRT: 4408_P3_J2.22 4422_P1_J4.59 4423_P2_J1.115
PS2WRT: 4408_P3_J2.23 4423_P2_J1.116
PS03*: 4408_P3_J2.60 4422_P1_J4.39
PS3WRT: 4408_P3_J2.24 4423_P2_J2.58
PS06*: 4408_P3_J2.59 4422_P1_J4.41
PS07*B: 4408_P3_J2.8 4422_P1_J4.31
PS08*: 4408_P3_J2.61 4422_P1_J4.52
PS09*: 4408_P3_J2.62 4422_P1_J4.53
PS10*: 4408_P3_J2.63 4422_P1_J4.54
PS11*: 4408_P3_J2.64 4422_P1_J4.71
PS12*: 4408_P3_J2.65 4422_P1_J4.72
PS13*: 4408_P3_J2.66 4422_P1_J4.73
PS14*: 4408_P3_J2.81 4422_P1_J4.84
PS15*: 4408_P3_J2.82 4422_P1_J4.85
PS16*: 4408_P3_J2.83 4422_P1_J4.86
PS17*: 4408_P3_J2.84 4422_P1_J4.87
PS18*: 4408_P3_J2.85 4422_P1_J4.88
PS19*: 4408_P3_J2.105 4422_P1_J4.99
PS20*: 4408_P3_J2.106 4422_P1_J4.100
PS21*: 4408_P3_J2.107 4422_P1_J4.101
PS22*: 4408_P3_J2.108 4422_P1_J4.102
PS24*A: 4422_P1_J4.107 4423_P2_J1.103
PS25*A: 4422_P1_J4.108 4423_P2_J1.104
PS26*A: 4422_P1_J4.109 4423_P2_J1.105
PS33*: 4408_P3_J2.13 4423_P2_J2.9
PS35*: 4408_P3_J2.14 4423_P2_J2.10
PS36*: 4408_P3_J2.15 4423_P2_J2.11
PS37*: 4408_P3_J2.16 4423_P2_J2.12
PS38*: 4408_P3_J2.17 4423_P2_J2.13
PS56*: 4408_P3_J2.95 4423_P2_J2.87
PS57*: 4408_P3_J2.96 4423_P2_J2.89
PS59*: 4408_P3_J2.97 4423_P2_J2.90
PS61*: 4408_P3_J2.98 4423_P2_J2.92
PS62*: 4423_P2_J2.93
PS63*: 4408_P3_J2.99 4423_P2_J2.94
PSA2PNL: 4408_P3_J1.92 4423_P2_J2.32
PSA04*: 4422_P1_J4.60 4423_P2_J2.37
PSA05*: 4422_P1_J4.61 4423_P2_J2.38
PSA06*: 4422_P1_J4.7 4423_P2_J2.39
PSA07*: 4422_P1_J4.8 4423_P2_J2.40
PSA08*: 4422_P1_J4.9 4423_P2_J2.59
PSA09*: 4422_P1_J4.10 4423_P2_J2.60
PSA10*: 4422_P1_J4.11 4423_P2_J2.73
PSA11*: 4422_P1_J4.12 4423_P2_J2.74
PSA12*: 4422_P1_J4.13 4423_P2_J2.85
PSA13*: 4422_P1_J4.14 4423_P2_J2.86
PSA14*: 4422_P1_J4.5 4423_P2_J2.107
PSA15*: 4422_P1_J4.6 4423_P2_J2.108
PSAAD: 4422_P1_J4.24 4423_P2_J2.16
PSABD: 4422_P1_J3.81 4423_P2_J2.17
PSACD: 4422_P1_J4.34 4423_P2_J2.18
PSACLKE*: 4408_P3_J1.98 4423_P2_J2.31
PSH2DP: 4408_P3_J1.112 4422_P1_J4.22 4423_P2_J1.107
PSL2DP: 4408_P3_J1.111 4423_P2_J1.106
PSZIP*: 4408_P3_J1.49 4422_P1_J4.62 4423_P2_J1.98
PUSHA1: 4401_FA_J1.13 4408_P3_J2.35 4426_FM_J1.13
PUSHA2: 4401_FA_J1.15 4408_P3_J2.36 4426_FM_J1.15
PWFAIL*: 4421_PDP_IF_J2.66
RBUEQ*: 4422_P1_J4.116 4423_P2_J1.23
RDOMA*: 4408_P3_J1.87 4424_MD_J1.44
REFSYNC*: 4408_P3_J2.53 4424_MD_J1.15
REGACLKE: 4402_DPL_J1.7 4402_DPR_J1.7 4424_MD_J1.34
REGBCLKE: 4402_DPL_J1.8 4402_DPR_J1.8 4424_MD_J1.35
RPDP: 4429_FMT_J1.7
RTM*: 4408_P3_J2.55 4422_P1_J4.78
RUN*: 4408_P3_J1.47 4421_PDP_IF_J1.93 4422_P1_J3.113
RUNIND: 4421_PDP_IF_J2.20 J39.4
SAMEX: 4402_DPL_J1.19 4402_DPR_J1.19 4423_P2_J1.19
SAMEY: 4402_DPL_J1.20 4402_DPR_J1.20 4423_P2_J1.20
SCIN: 4401_FA_J1.33 4426_FM_J1.33
SELA2: 4401_FA_J1.31 4426_FM_J1.31
SELMD: 4402_DPL_J1.75 4402_DPR_J1.75 4424_MD_J1.36
SELREGB: 4402_DPL_J2.85 4402_DPR_J2.85 4424_MD_J1.33
SETATMA*: 4408_P3_J1.85 4423_P2_J2.100
SNSA: 4408_P3_J1.76
SNSB: 4408_P3_J1.73
SP2ADDR: 4408_P3_J1.110 4422_P1_J3.23
SP2DP: 4422_P1_J3.17 4423_P2_J1.110
SP+DP00*: 4422_P1_J3.25 4423_P2_J1.29 4424_MD_J1.49
